# Altium PCB DB_Main-X01.PcbDoc (part 2 of 2)
Units mm, origin at the board's own origin, x right, y up, seen from the top; angles counter-clockwise.
Board outline 99.57 x 76.45 mm, 2 copper layers (Top Layer, Bottom Layer), stack 1.711 mm thick; 143 components, 90 nets, 453 pads, 275 vias.
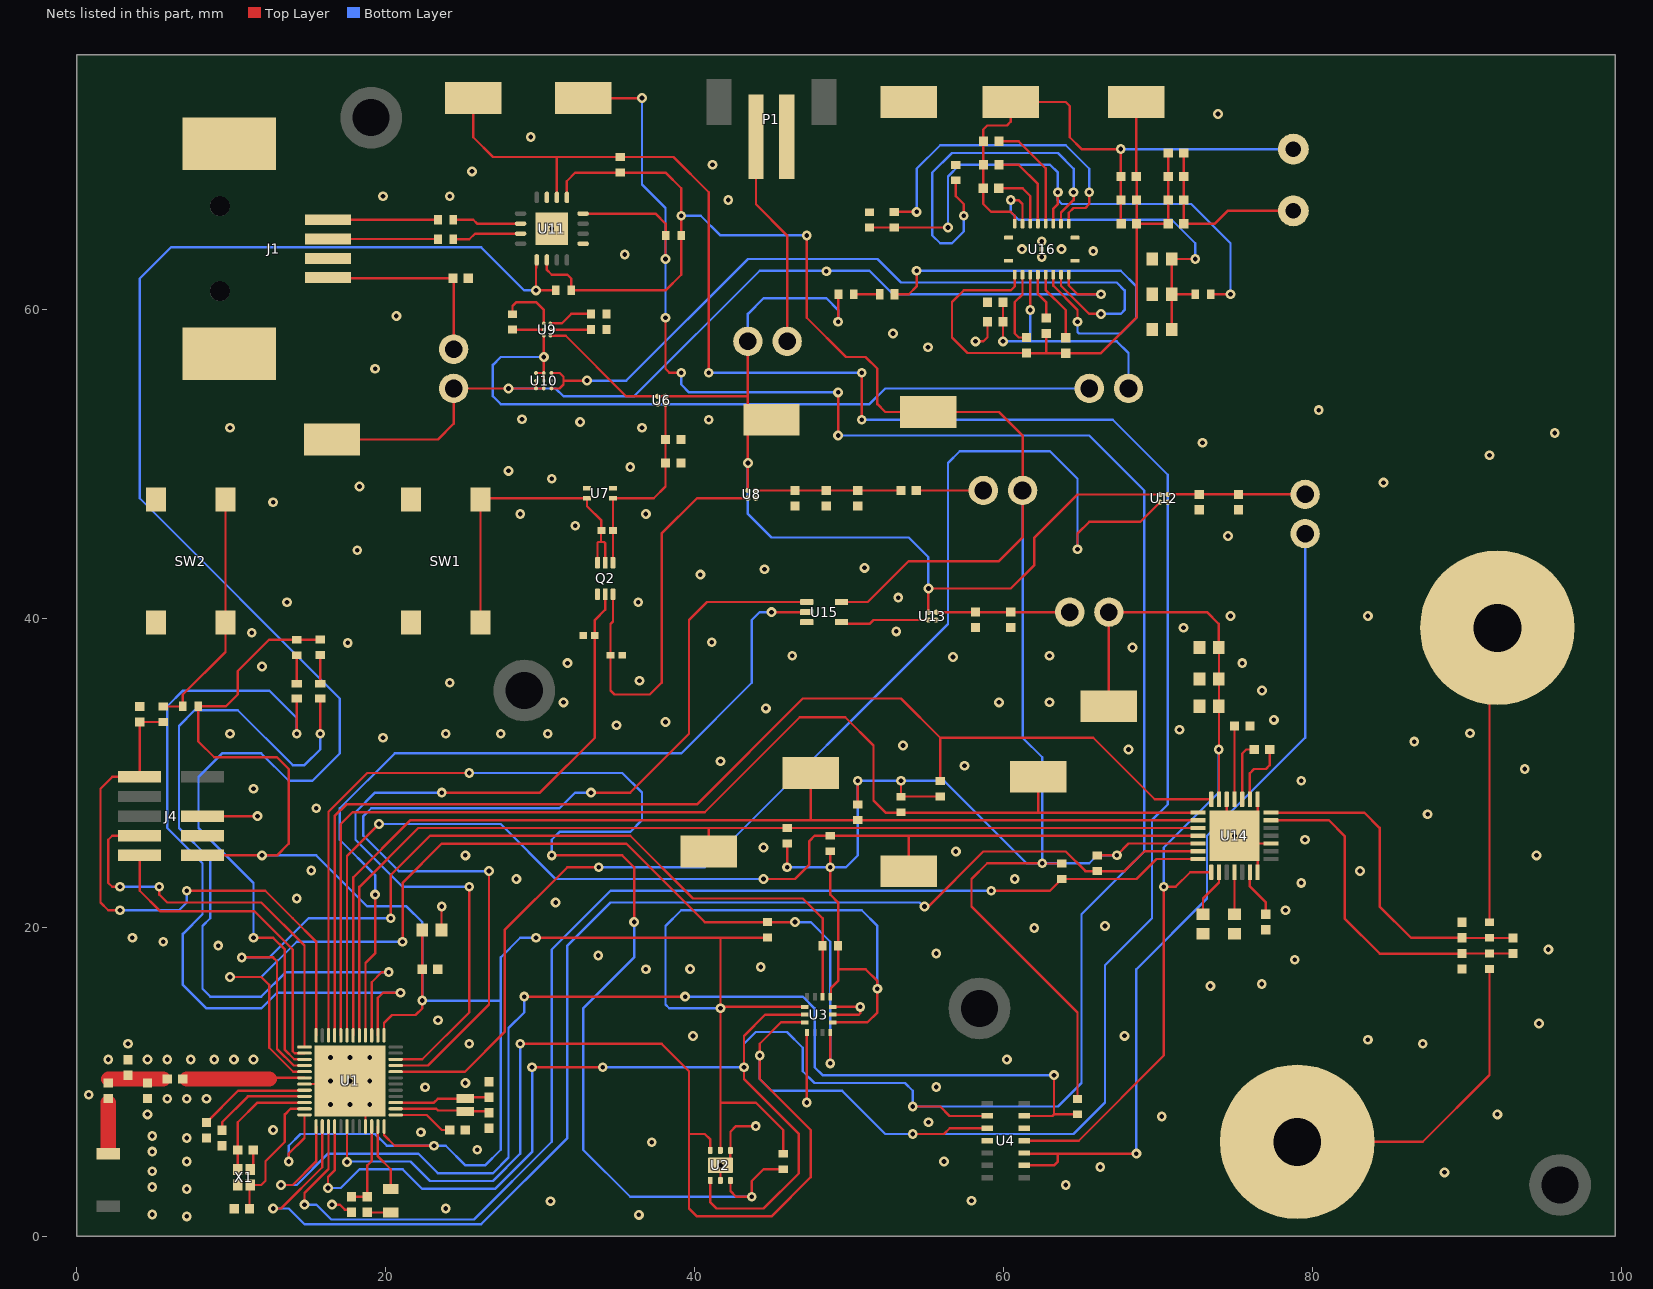
[diagram p2: the nets of this part, all layers, seen from the top]

## Part data (continued)
U6 U8: "Fixed Positive LDO Regulator, 3V, 0.1V Dropout, CMOS, PBGA4", Dropout Voltage=50mV, Manufacturer="Analog Devices", Manufacturer Part Number=ADP172ACBZ-3.0-R7, Max Input Voltage=3.6V, Max Operating Temperature=125°C, Max Output Current=300mA, Max Output Voltage=3V, Max Supply Current=170uA, Min Current Limit=400mA, Min Input Voltage=1.6V, Min Operating Temperature=-40°C, Min Output Voltage=800mV, Nominal Supply Current=23uA, Package Quantity=3000, Power Supply Rejection Ratio (PSRR)=73dB, Quiescent Current=60uA, Supplier Part Number 1=ADP172ACBZ-3.0-R7CT-ND, Category="Voltage Regulators - Linear", ComponentLink1Description=https://datasheet.ciiva.com:443/pdfs/VipMasterIC/IC/ANDI/ANDI-S-A0002823031/ANDI-S-A0002823031-1.pdf?src-supplier=IHS+Markit, ComponentLink1URL=https://datasheet.ciiva.com:443/pdfs/VipMasterIC/IC/ANDI/ANDI-S-A0002823031/ANDI-S-A0002823031-1.pdf?src-supplier=IHS+Markit, ComponentLink2Description=https://datasheet.ciiva.com/2056/adp172-2056690.pdf?src-supplier=Digi-Key, ComponentLink2URL=https://datasheet.ciiva.com/2056/adp172-2056690.pdf?src-supplier=Digi-Key, ComponentLink3Description=https://datasheet.ciiva.com/2056/adp172-2056691.pdf?src-supplier=Digi-Key, ComponentLink3URL=https://datasheet.ciiva.com/2056/adp172-2056691.pdf?src-supplier=Digi-Key, ComponentLink4Description=https://datasheet.ciiva.com/2056/adp172-2056692.pdf?src-supplier=Digi-Key, ComponentLink4URL=https://datasheet.ciiva.com/2056/adp172-2056692.pdf?src-supplier=Digi-Key, ComponentLink5Description=https://datasheet.ciiva.com/3224/adp172-3224693.pdf?src-supplier=Avnet, ComponentLink5URL=https://datasheet.ciiva.com/3224/adp172-3224693.pdf?src-supplier=Avnet, ComponentLink6Description=https://datasheet.ciiva.com/17365/adp172-17365245.pdf?src-supplier=Avnet+Europe, ComponentLink6URL=https://datasheet.ciiva.com/17365/adp172-17365245.pdf?src-supplier=Avnet+Europe, ComponentLink7Description=https://datasheet.ciiva.com/48694/001251525-da-01-en-ic-reg-ldo-adp172acbz-3-0-r7-wlcsp-4-adi-48694412.pdf?src-supplier=Conrad, ComponentLink7URL=https://datasheet.ciiva.com/48694/001251525-da-01-en-ic-reg-ldo-adp172acbz-3-0-r7-wlcsp-4-adi-48694412.pdf?src-supplier=Conrad, Contact Plating=Copper,Tin,Silver, Lead Free="Contains Lead", Mount="Surface Mount", Number of Outputs=1, Number of Pins=4, Number of Regulators=1, Operating Supply Current=23uA, Output Current=300mA, Output Type=Fixed, Output Voltage=3V, Packaging="Tape and Reel", Polarity=Positive, Pricing 1="1=1.09000 (USD)", Radiation Hardening=No, RoHS=Yes, Stock 1=2, Supplier 1=Digi-Key
U7: "MAGNETIC SWITCH UNIPOLAR SNT-4A", Manufacturer="ABLIC U.S.A.", Supplier Part Number 1=1662-1617-1-ND, ComponentLink1Description=https://www.ablic.com/en/doc/datasheet/hall_ics/S5712A_B_C_E.pdf?src-supplier=Digi-Key, ComponentLink1URL=https://www.ablic.com/en/doc/datasheet/hall_ics/S5712A_B_C_E.pdf?src-supplier=Digi-Key, Manufacturer Part Number=S-5712ANSL2-I4T1U, Pricing 1="1=1.07000, 5=1.01400, 10=0.88300 (USD)", RoHS=No, Stock 1=23, Supplier 1=Digi-Key
U9: "Power Supply Support Circuit", Battery Pack Voltage=4.2V, Manufacturer="Texas Instruments", Max Charge Current=250mA, Max Operating Temperature=85°C, Max Supply Voltage=6.45V, Min Operating Temperature=-40°C, Min Supply Voltage=3.5V, Operating Supply Current=75nA, Output Voltage=4.35V, Package Quantity=250, Supplier Part Number 1=296-38373-1-ND, Category="Batteries and Accessories", ComponentLink1Description=https://www.ti.com:443/lit/ds/symlink/bq25100.pdf?src-supplier=IHS+Markit, ComponentLink1URL=https://www.ti.com:443/lit/ds/symlink/bq25100.pdf?src-supplier=IHS+Markit, ComponentLink2Description=https://datasheet.ciiva.com/46404/1854517-46404758.pdf?src-supplier=Element14, ComponentLink2URL=https://datasheet.ciiva.com/46404/1854517-46404758.pdf?src-supplier=Element14, Contact Plating=Copper,Tin,Silver, Fault Protection="Over Voltage,Over Temperature,Short Circuit", Lead Free="Lead Free", Manufacturer Part Number=BQ25100YFPT, Mount="Surface Mount", Number of Cells=1, Number of Pins=6, Output Current=250mA, Packaging="Tape and Reel", Pricing 1="1=2.24000, 10=2.01100, 25=1.89760, 100=1.51800 (USD)", REACH SVHC="No SVHC", RoHS=Yes, Stock 1=3049, Supplier 1=Digi-Key, Weight=6E-05oz
U10: "Small Signal Field-Effect Transistor, P-Channel, Metal-oxide Semiconductor FET", Continuous Drain Current (ID)=3.9A, Drain to Source Resistance=27mR, Gate to Source Voltage (Vgs)=-6V, Input Capacitance=595pF, Manufacturer="Texas Instruments", Max Operating Temperature=150°C, Max Power Dissipation=700mW, Min Operating Temperature=-55°C, Package Quantity=3000, Supplier Part Number 1=296-40008-1-ND, Category=MOSFETs, ComponentLink1Description=https://www.ti.com:443/lit/ds/symlink/csd75207w15.pdf?src-supplier=IHS+Markit, ComponentLink1URL=https://www.ti.com:443/lit/ds/symlink/csd75207w15.pdf?src-supplier=IHS+Markit, ComponentLink2Description=https://datasheet.ciiva.com/24012/slps418-267251-24012416.pdf?src-supplier=Mouser, ComponentLink2URL=https://datasheet.ciiva.com/24012/slps418-267251-24012416.pdf?src-supplier=Mouser, ComponentLink3Description=https://datasheet.ciiva.com/30021/csd75207w15-30021933.pdf?src-supplier=Avnet, ComponentLink3URL=https://datasheet.ciiva.com/30021/csd75207w15-30021933.pdf?src-supplier=Avnet, Contact Plating=Copper,Tin,Silver, Fall Time=16ns, Lead Free="Lead Free", Manufacturer Part Number=CSD75207W15, Mount="Surface Mount", Number of Pins=9, Packaging="Tape and Reel", Pricing 1="1=0.62000, 10=0.54500, 25=0.51160, 100=0.37130, 250=0.35804, 500=0.31020, 1000=0.26400 (USD)", Rds On Max=162mR, Rise Time=8.6ns, RoHS=Yes, Stock 1=8699, Supplier 1=Digi-Key, Turn-Off Delay Time=32.1ns, Turn-On Delay Time=12.8ns
U11: library part COM-USB-FT201XQ-SQ17, "USB to I2C Interface Slave Chip, UHCI/OHCI/EHCI Compatible, USB 2.0 Compatible, -40 to +85 degC, 16-Pin QFN, Pb-Free, Tape and Reel", Case/Package=QFN, Manufacturer=FTDI, Max Operating Temperature=85°C, Min Operating Temperature=-40°C, Operating Supply Current=8mA, Operating Supply Voltage=5.5V, Package Quantity=5000, Supplier Part Number 1=768-1131-1-ND, Category="Interface ICs", Code_JEDEC=MO-220WGGC, ComponentLink1Description="Manufacturer URL", ComponentLink1URL=http://www.ftdichip.com/, ComponentLink2Description=Datasheet, ComponentLink2URL=http://www.ftdichip.com/Support/Documents/DataSheets/ICs/DS_FT201X.pdf, ComponentLink3Description="FT201X Product Page", ComponentLink3URL=www.ftdichip.com/Products/ICs/FT201X.html, ComponentLink4Description=https://datasheet.ciiva.com:443/pdfs/VipMasterIC/IC/FTDI/FTDI-S-A0003060850/FTDI-S-A0003060850-1.pdf?src-supplier=IHS+Markit, ComponentLink4URL=https://datasheet.ciiva.com:443/pdfs/VipMasterIC/IC/FTDI/FTDI-S-A0003060850/FTDI-S-A0003060850-1.pdf?src-supplier=IHS+Markit, ComponentLink5Description=https://datasheet.ciiva.com/14668/0900766b811020ab-14668386.pdf?src-supplier=RSComponents, ComponentLink5URL=https://datasheet.ciiva.com/14668/0900766b811020ab-14668386.pdf?src-supplier=RSComponents, ComponentLink6Description=https://datasheet.ciiva.com/1784/ft-x-series-1784572.pdf?src-supplier=Digi-Key, ComponentLink6URL=https://datasheet.ciiva.com/1784/ft-x-series-1784572.pdf?src-supplier=Digi-Key, ComponentLink7Description=https://datasheet.ciiva.com/1784/ft-x-series-1784573.pdf?src-supplier=Digi-Key, ComponentLink7URL=https://datasheet.ciiva.com/1784/ft-x-series-1784573.pdf?src-supplier=Digi-Key, ComponentLink8Description=https://datasheet.ciiva.com/1784/ft-x-series-1784574.pdf?src-supplier=Digi-Key, ComponentLink8URL=https://datasheet.ciiva.com/1784/ft-x-series-1784574.pdf?src-supplier=Digi-Key, Data Rate=12Mbps, DatasheetVersion="ver 1.3, Feb-2013", Height=0.75mm, Interface=I2C,USB, Lead Free="Lead Free", Length=4mm, Manufacturer Part Number=FT201XQ-R, Mount="Surface Mount", Number of Pins=16, PackageDescription="16-Pin Quad Flat No-Lead, 4x4 mm Body, 0.65 mm Pitch", PackageReference=QFN-16, PackageVersion=Feb-13, Packaging="Tape and Reel", PartNumber=FT201XQ-R, Pricing 1="1=2.04000, 25=1.97000, 100=1.90000, 250=1.71000, 500=1.54002, 1000=1.46001, 2500=1.43750 (USD)", RevisionNote="DatasheetVersion updated to 1.3 Feb-2013", RoHS=Yes, Stock 1=4553, Supplier 1=Digi-Key, Weight=0.002014oz, Width=4mm
U12: library part ADP160-3_3V, "Fixed Positive LDO Regulator, 3.3V, 0.195V Dropout, CMOS, PBGA4", Dropout Voltage=105mV, Manufacturer="Analog Devices", Manufacturer Part Number=ADP160ACBZ-3.3-R7, Max Input Voltage=5.5V, Max Operating Temperature=125°C, Max Output Current=150mA, Max Output Voltage=4.2V, Max Supply Current=42uA, Min Current Limit=220mA, Min Input Voltage=2.2V, Min Operating Temperature=-40°C, Min Output Voltage=1.2V, Nominal Output Voltage=3.3V, Output Voltage Accuracy=2%, Package Quantity=3000, Power Supply Rejection Ratio (PSRR)=60dB, Supplier Part Number 1=ADP160ACBZ-3.3-R7CT-ND, Accuracy=2%, Category="Voltage Regulators - Linear", ComponentLink1Description=https://datasheet.ciiva.com:443/pdfs/VipMasterIC/IC/ANDI/ANDI-S-A0005865400/ANDI-S-A0005865400-1.pdf?src-supplier=IHS+Markit, ComponentLink1URL=https://datasheet.ciiva.com:443/pdfs/VipMasterIC/IC/ANDI/ANDI-S-A0005865400/ANDI-S-A0005865400-1.pdf?src-supplier=IHS+Markit, ComponentLink2Description=https://datasheet.ciiva.com/15271/adp160-161-162-163-15271721.pdf?src-supplier=Arrow+Europe, ComponentLink2URL=https://datasheet.ciiva.com/15271/adp160-161-162-163-15271721.pdf?src-supplier=Arrow+Europe, ComponentLink3Description=https://datasheet.ciiva.com/8242/adp160-161-162-163-8242024.pdf?src-supplier=Avnet, ComponentLink3URL=https://datasheet.ciiva.com/8242/adp160-161-162-163-8242024.pdf?src-supplier=Avnet, ComponentLink4Description=https://datasheet.ciiva.com/18552/adp160-161-162-163-18552347.pdf?src-supplier=Digi-Key, ComponentLink4URL=https://datasheet.ciiva.com/18552/adp160-161-162-163-18552347.pdf?src-supplier=Digi-Key, ComponentLink5Description=https://datasheet.ciiva.com/18552/adp160-161-162-163-18552348.pdf?src-supplier=Digi-Key, ComponentLink5URL=https://datasheet.ciiva.com/18552/adp160-161-162-163-18552348.pdf?src-supplier=Digi-Key, ComponentLink6Description=https://datasheet.ciiva.com/18552/adp160-161-162-163-18552349.pdf?src-supplier=Digi-Key, ComponentLink6URL=https://datasheet.ciiva.com/18552/adp160-161-162-163-18552349.pdf?src-supplier=Digi-Key, Lead Free="Contains Lead", Mount="Surface Mount", Nominal Supply Current=42uA, Number of Outputs=1, Number of Pins=4, Number of Regulators=1, Operating Supply Current=42uA, Output Current=150mA, Output Type=Fixed, Output Voltage=3.3V, Packaging="Tape and Reel", Polarity=Positive, Pricing 1="1=1.12000, 10=1.00300, 25=0.95200, 100=0.73100, 250=0.64600, 500=0.61200, 1000=0.49300 (USD)", Radiation Hardening=No, REACH SVHC="No SVHC", RoHS=Yes, Supplier 1=Digi-Key
U13: library part ADP160-1_8V, "Fixed Positive LDO Regulator, 1.8V, 0.195V Dropout, CMOS, PBGA4", Manufacturer="Analog Devices", Manufacturer Part Number=ADP160ACBZ-1.8-R7, Max Input Voltage=5.5V, Max Operating Temperature=125°C, Max Output Current=150mA, Max Output Voltage=4.2V, Max Supply Current=42uA, Min Current Limit=220mA, Min Input Voltage=2.2V, Min Operating Temperature=-40°C, Min Output Voltage=1.2V, Output Voltage=1.8V, Output Voltage Accuracy=2%, Package Quantity=1, Power Supply Rejection Ratio (PSRR)=60dB, Quiescent Current=0pA, Supplier Part Number 1=ADP160ACBZ-1.8-R7CT-ND, Accuracy=2%, Category="Voltage Regulators - Linear", ComponentLink1Description=https://datasheet.ciiva.com:443/pdfs/VipMasterIC/IC/ANDI/ANDI-S-A0005865400/ANDI-S-A0005865400-1.pdf?src-supplier=IHS+Markit, ComponentLink1URL=https://datasheet.ciiva.com:443/pdfs/VipMasterIC/IC/ANDI/ANDI-S-A0005865400/ANDI-S-A0005865400-1.pdf?src-supplier=IHS+Markit, ComponentLink2Description=https://datasheet.ciiva.com/15270/adp160-161-162-163-15270706.pdf?src-supplier=Arrow+Europe, ComponentLink2URL=https://datasheet.ciiva.com/15270/adp160-161-162-163-15270706.pdf?src-supplier=Arrow+Europe, ComponentLink3Description=https://datasheet.ciiva.com/18552/adp160-161-162-163-18552055.pdf?src-supplier=Digi-Key, ComponentLink3URL=https://datasheet.ciiva.com/18552/adp160-161-162-163-18552055.pdf?src-supplier=Digi-Key, ComponentLink4Description=https://datasheet.ciiva.com/18552/adp160-161-162-163-18552056.pdf?src-supplier=Digi-Key, ComponentLink4URL=https://datasheet.ciiva.com/18552/adp160-161-162-163-18552056.pdf?src-supplier=Digi-Key, ComponentLink5Description=https://datasheet.ciiva.com/18552/adp160-161-162-163-18552054.pdf?src-supplier=Digi-Key, ComponentLink5URL=https://datasheet.ciiva.com/18552/adp160-161-162-163-18552054.pdf?src-supplier=Digi-Key, ComponentLink6Description=https://datasheet.ciiva.com/3224/adp160-161-162-163-3224663.pdf?src-supplier=Avnet, ComponentLink6URL=https://datasheet.ciiva.com/3224/adp160-161-162-163-3224663.pdf?src-supplier=Avnet, Contact Plating=Copper,Tin,Silver, Height=0.37mm, Lead Free="Contains Lead", Length=1mm, Mount="Surface Mount", Nominal Supply Current=42uA, Number of Outputs=1, Number of Pins=4, Number of Regulators=1, Operating Supply Current=42uA, Output Current=150mA, Output Type=Fixed, Packaging="Tape and Reel", Polarity=Positive, Pricing 1="1=1.12000, 10=1.00300, 25=0.95200, 100=0.73100, 250=0.64600, 500=0.61200, 1000=0.49300 (USD)", Radiation Hardening=No, RoHS=Yes, Stock 1=5770, Supplier 1=Digi-Key, Width=1mm
U14: "Analog Circuit, 1 Func, CMOS", Manufacturer=Maxim, Max Operating Temperature=70°C, Max Supply Voltage=2V, Min Operating Temperature=0°C, Min Supply Voltage=1.2V, Supplier Part Number 1=MAX30003CTI+-ND, Category="RF Semiconductors and Devices", ComponentLink1Description=https://datasheet.ciiva.com:443/pdfs/VipMasterIC/IC/MAXM/MAXM-S-A0009086108/MAXM-S-A0009086108-1.pdf?src-supplier=IHS+Markit, ComponentLink1URL=https://datasheet.ciiva.com:443/pdfs/VipMasterIC/IC/MAXM/MAXM-S-A0009086108/MAXM-S-A0009086108-1.pdf?src-supplier=IHS+Markit, ComponentLink2Description=http://www.farnell.com/datasheets/2159846.pdf?src-supplier=Farnell, ComponentLink2URL=http://www.farnell.com/datasheets/2159846.pdf?src-supplier=Farnell, ComponentLink3Description=https://pdfserv.maximintegrated.com/en/an/MAX-ECG-MONITOR-User-Guide.pdf?src-supplier=Digi-Key, ComponentLink3URL=https://pdfserv.maximintegrated.com/en/an/MAX-ECG-MONITOR-User-Guide.pdf?src-supplier=Digi-Key, ComponentLink4Description=http://www.farnell.com/datasheets/2159846.pdf?src-supplier=Element14, ComponentLink4URL=http://www.farnell.com/datasheets/2159846.pdf?src-supplier=Element14, Manufacturer Part Number=MAX30003CTI+, Number of Pins=28, Pricing 1="1=8.21000, 10=7.41200, 25=7.06760, 100=5.86090, 250=5.34380, 500=4.99902, 1000=4.98888 (USD)", REACH SVHC="No SVHC", RoHS=No, Stock 1=286, Supplier 1=Digi-Key
U15: library part CMP-0859-00376-3, "Single 2-Input Positive-OR Gate, DCK0005A, LARGE T&R", Case/Package=SC, High Level Output Current=-32mA, Low Level Output Current=32mA, Manufacturer="Texas Instruments", Max Operating Temperature=125°C, Max Supply Voltage=5.5V, Min Operating Temperature=-40°C, Min Supply Voltage=1.65V, Package Quantity=1, Quiescent Current=10uA, Supplier Part Number 1=296-9848-1-ND, Category="Logic Gates", ComponentLink1Description=https://www.ti.com:443/lit/ds/symlink/sn74lvc1g32.pdf?src-supplier=IHS+Markit, ComponentLink1URL=https://www.ti.com:443/lit/ds/symlink/sn74lvc1g32.pdf?src-supplier=IHS+Markit, ComponentLink2Description=https://datasheet.ciiva.com/27049/756781-27049784.pdf?src-supplier=Jameco, ComponentLink2URL=https://datasheet.ciiva.com/27049/756781-27049784.pdf?src-supplier=Jameco, ComponentLink3Description=https://datasheet.ciiva.com/1864/sn74lvc1g32-1864192.pdf?src-supplier=Digi-Key, ComponentLink3URL=https://datasheet.ciiva.com/1864/sn74lvc1g32-1864192.pdf?src-supplier=Digi-Key, ComponentLink4Description=https://datasheet.ciiva.com/6124/1768050-6124560.pdf?src-supplier=Farnell, ComponentLink4URL=https://datasheet.ciiva.com/6124/1768050-6124560.pdf?src-supplier=Farnell, ComponentLink5Description=https://datasheet.ciiva.com/15090/getdatasheetpartid-127914-15090759.pdf?src-supplier=Verical, ComponentLink5URL=https://datasheet.ciiva.com/15090/getdatasheetpartid-127914-15090759.pdf?src-supplier=Verical, ComponentLink6Description=https://datasheet.ciiva.com/16503/sn74lvc1g32-16503418.pdf?src-supplier=Avnet+Asia, ComponentLink6URL=https://datasheet.ciiva.com/16503/sn74lvc1g32-16503418.pdf?src-supplier=Avnet+Asia, ComponentLink7Description=https://datasheet.ciiva.com/7783/1768050-7783469.pdf?src-supplier=Element14, ComponentLink7URL=https://datasheet.ciiva.com/7783/1768050-7783469.pdf?src-supplier=Element14, ComponentLink8Description=https://datasheet.ciiva.com/7783/1768050-7783470.pdf?src-supplier=Element14, ComponentLink8URL=https://datasheet.ciiva.com/7783/1768050-7783470.pdf?src-supplier=Element14, ComponentLink9Description=https://datasheet.ciiva.com/26048/sn74lvc1g32-26048814.pdf?src-supplier=Avnet+Europe, ComponentLink9URL=https://datasheet.ciiva.com/26048/sn74lvc1g32-26048814.pdf?src-supplier=Avnet+Europe, ComponentLink10Description=https://datasheet.ciiva.com/1864/sn74lvc1g32-1864193.pdf?src-supplier=Digi-Key, ComponentLink10URL=https://datasheet.ciiva.com/1864/sn74lvc1g32-1864193.pdf?src-supplier=Digi-Key, ComponentLink11Description=https://datasheet.ciiva.com/14290/sn74lvc1g32-14290781.pdf?src-supplier=Avnet, ComponentLink11URL=https://datasheet.ciiva.com/14290/sn74lvc1g32-14290781.pdf?src-supplier=Avnet, ComponentLink12Description=https://datasheet.ciiva.com/1864/sn74lvc1g32-1864191.pdf?src-supplier=Digi-Key, ComponentLink12URL=https://datasheet.ciiva.com/1864/sn74lvc1g32-1864191.pdf?src-supplier=Digi-Key, Contact Plating=Gold, Height=0.9mm, Lead Free="Lead Free", Length=2mm, Logic Function=OR, Manufacturer Part Number=SN74LVC1G32DCKR, Max Output Current=32mA, Mount="Surface Mount", Number of Bits=1, Number of Circuits=1, Number of Elements=1, Number of Gates=1, Number of Input Lines=2, Number of Inputs=2, Number of Output Lines=1, Number of Outputs=1, Number of Pins=5, Output Current=32mA, Packaging="Tape and Reel", Pricing 1="1=0.29000, 10=0.23700, 25=0.19800, 100=0.12540, 250=0.09680, 500=0.08250, 1000=0.05610 (USD)", Propagation Delay=4ns, Radiation Hardening=No, REACH SVHC="No SVHC", RoHS=Yes, Schmitt Trigger Input=No, Stock 1=92112, Supplier 1=Digi-Key, Termination=SMD/SMT, Turn-On Delay Time=4.5ns, Weight=8.8E-05oz, Width=1.25mm
U16: library part TI-BQ51013B-RHL20, "WPC 1.1 Compatible Fully Integrated Wireless Power Receiver IC, 4 V Min Input, 20-pin VQFN (RHL), Green (RoHS & no Sb/Br)", Case/Package=VQFN, Manufacturer="Texas Instruments", Max Operating Temperature=125°C, Min Operating Temperature=0°C, Operating Supply Current=8mA, Output Current=1.5A, Output Voltage=5V, Package Quantity=3000, Supplier Part Number 1=296-38885-1-ND, Category="Power Management ICs", ComponentLink1Description=https://www.ti.com:443/lit/ds/symlink/bq51013b.pdf?src-supplier=IHS+Markit, ComponentLink1URL=https://www.ti.com:443/lit/ds/symlink/bq51013b.pdf?src-supplier=IHS+Markit, ComponentLink2Description=https://datasheet.ciiva.com/6601/bq51013b-6601292.pdf?src-supplier=Digi-Key, ComponentLink2URL=https://datasheet.ciiva.com/6601/bq51013b-6601292.pdf?src-supplier=Digi-Key, Contact Plating=Gold, Lead Free="Lead Free", Logic Function=Receiver, Manufacturer Part Number=BQ51013BRHLR, Mount="Surface Mount", Number of Pins=20, Packaging="Tape and Reel", Pricing 1="1=3.33000, 10=2.97000, 25=2.67320, 100=2.43540, 250=2.19780, 500=1.97208, 1000=1.66320 (USD)", RoHS=Yes, Stock 1=8882, Supplier 1=Digi-Key
X1: library part CRYSTAL_32MHz, "Parallel - Fundamental Quartz Crystal, 32MHz Nom", Case/Package=SMD/SMT, ESR (Equivalent Series Resistance)=80R, Frequency Stability=10ppm, Load Capacitance=8pF, Manufacturer=Diodes, Manufacturer Part Number=US3200005Z, Max Operating Temperature=70°C, Min Operating Temperature=-20°C, Supplier Part Number 1=US3200005ZCT-ND, Category=Crystals, ComponentLink1Description=https://datasheet.ciiva.com:443/pdfs/VipMasterIC/IC/DIOD/DIOD-S-A0002236499/DIOD-S-A0002236499-1.pdf?src-supplier=IHS+Markit, ComponentLink1URL=https://datasheet.ciiva.com:443/pdfs/VipMasterIC/IC/DIOD/DIOD-S-A0002236499/DIOD-S-A0002236499-1.pdf?src-supplier=IHS+Markit, ComponentLink2Description=https://media.digikey.com/pdf/Data%20Sheets/Pericom%20PDFs/US3200005Z_Ver.A.pdf?src-supplier=Digi-Key, ComponentLink2URL=https://media.digikey.com/pdf/Data%20Sheets/Pericom%20PDFs/US3200005Z_Ver.A.pdf?src-supplier=Digi-Key, Frequency=32MHz, Frequency Tolerance=10ppm, Height=0.014inch, Length=0.063inch, Mount="Surface Mount", Packaging="Tape and Reel", Pricing 1="1=1.45000, 10=1.38400, 50=1.35200, 100=1.15880, 500=1.12666, 1000=0.94961 (USD)", RoHS=Yes, Supplier 1=Digi-Key, Width=0.047inch
X2: library part CRYSTAL_32K768, "Parallel - Fundamental Quartz Crystal, 0.032768MHz Nom", Case/Package=SMD/SMT, ESR (Equivalent Series Resistance)=90kR, Frequency=32.768kHz, Frequency Tolerance=20ppm, Load Capacitance=9pF, Manufacturer="ECS International", Manufacturer Part Number=ECS-.327-9-1210-TR, Max Operating Temperature=85°C, Min Operating Temperature=-40°C, Supplier Part Number 1=XC2283CT-ND, Category="Crystals and Oscillators", ComponentLink1Description=https://datasheet.ciiva.com:443/pdfs/VipMasterIC/IC/ECSI/ECSI-S-A0009254912/ECSI-S-A0009254912-1.pdf?src-supplier=IHS+Markit, ComponentLink1URL=https://datasheet.ciiva.com:443/pdfs/VipMasterIC/IC/ECSI/ECSI-S-A0009254912/ECSI-S-A0009254912-1.pdf?src-supplier=IHS+Markit, ComponentLink2Description=https://www.ecsxtal.com/store/pdf/ECX-1210.pdf?src-supplier=Digi-Key, ComponentLink2URL=https://www.ecsxtal.com/store/pdf/ECX-1210.pdf?src-supplier=Digi-Key, Mount="Surface Mount", Packaging="Tape and Reel", Pricing 1="1=1.52000, 10=1.45400, 50=1.42060, 100=1.21770, 500=1.18388, 1000=0.99784, 2500=0.94710 (USD)", RoHS=No, Stock 1=5205, Supplier 1=Digi-Key

## Via types
v1: diameter 0.635, hole 0.305, Top Layer to Bottom Layer, 275 vias
